# Altium PCB UZ_D_Optical_Daughter.PcbDoc (part 2 of 2)
Units mm, origin at the board's own origin, x right, y up, seen from the top; angles counter-clockwise.
Board outline 113.5 x 100 mm, 2 copper layers (Top Layer, Bottom Layer); 252 components, 135 nets, 734 pads, 115 vias.
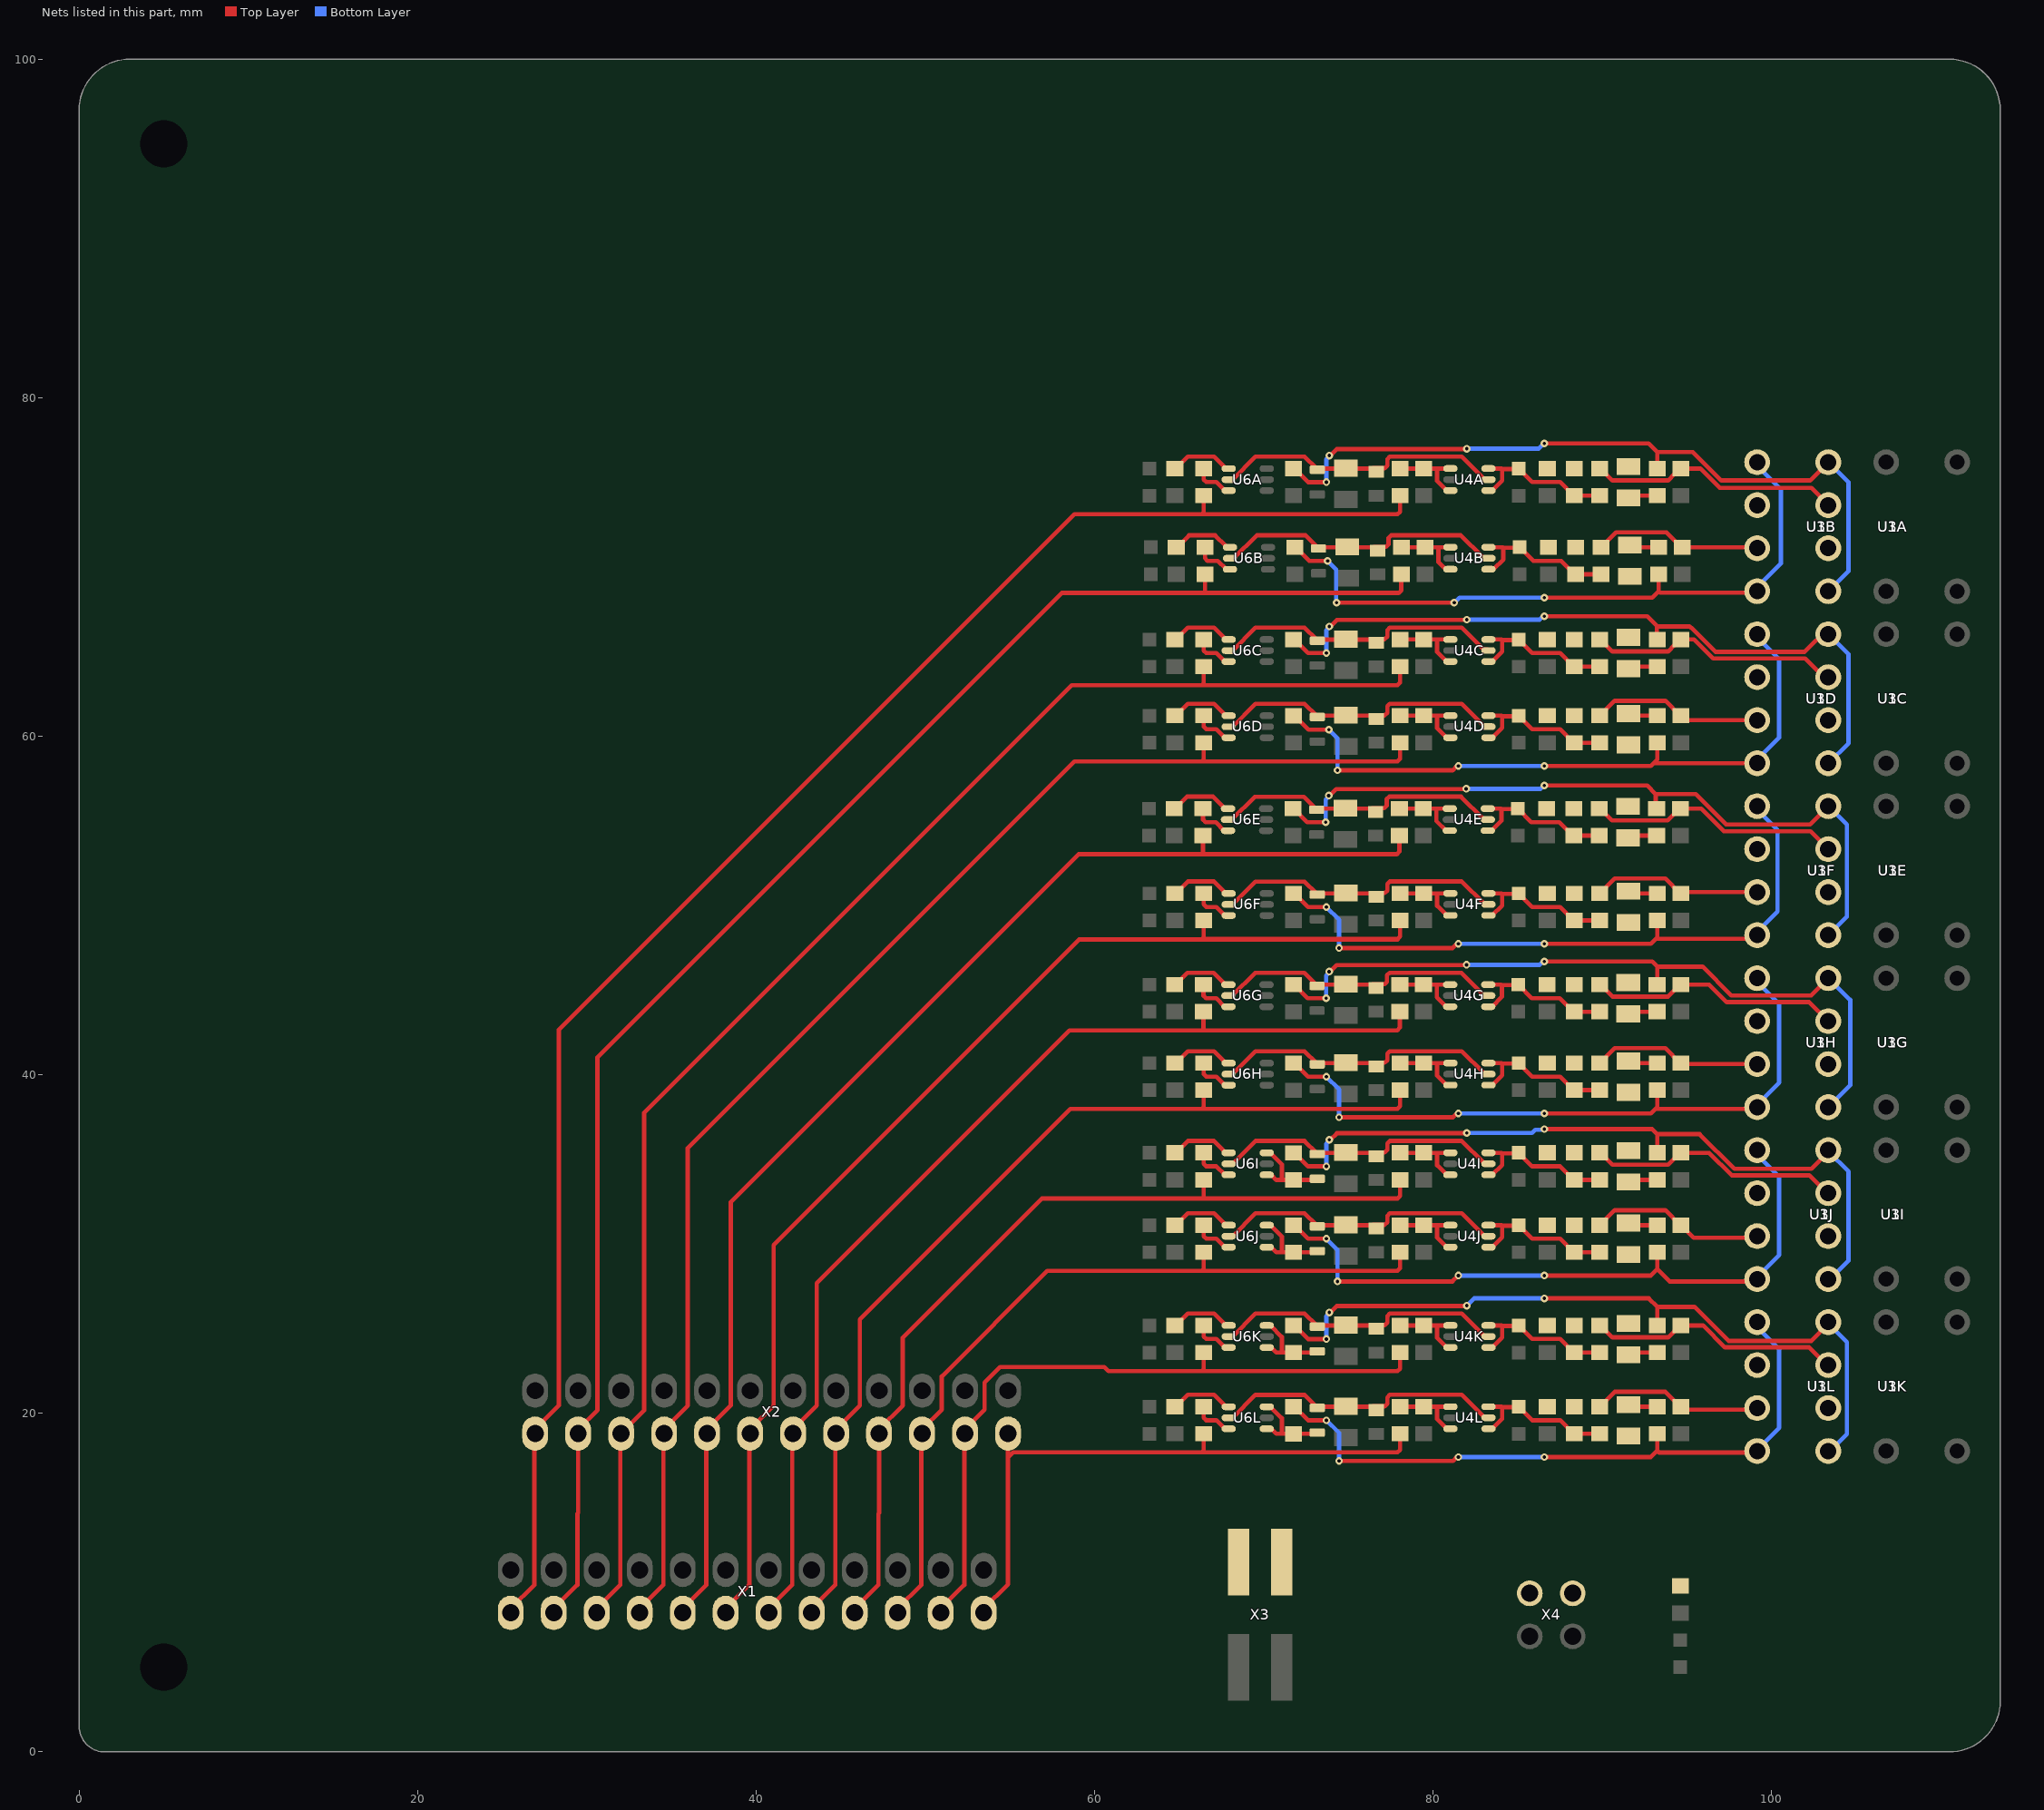
[diagram p2: the nets of this part, all layers, seen from the top]

## Via types
v1: diameter 0.45, hole 0.2, Top Layer to Bottom Layer, tented both sides, 48 vias
v2: diameter 0.6, hole 0.3, Top Layer to Bottom Layer, tented both sides, 37 vias
v3: diameter 0.8, hole 0.4, Top Layer to Bottom Layer, tented both sides, 30 vias

## Nets (pads, with @x,y where several pads share a name; then routed paths per layer and width w, separated by ;. In a path a pad name is that pad's centre, name@x,y a point inside that pad or via, vN(x,y) a via of type N, cw(c..) or ccw(c..) an arc to the next point about the centre after c; other vN are vias at no path point) (continued)
NetR1I_1: R1I.1 R13I.1 U6I.1 U6I.3 | length 5.2
  Top Layer w0.254: U6I.1@70.166,34.088 70.431,34.088 70.731,33.788 71.058,33.788 ; U6I.3@70.166,35.388 70.386,35.388 71.058,34.716 71.058,33.788 ; R13I.1@73.149,33.788 R1I.1@71.749,33.788 71.058,33.788
NetR1J_1: R1J.1 R13J.1 U6J.1 U6J.3 | length 5.2
  Top Layer w0.254: U6J.1@70.166,29.813 70.431,29.813 70.731,29.513 71.058,29.513 ; U6J.3@70.166,31.113 70.386,31.113 71.058,30.441 71.058,29.513 ; R13J.1@73.15,29.513 R1J.1@71.75,29.513 71.058,29.513
NetR1K_1: R1K.1 R13K.1 U6K.1 U6K.3 | length 5.2
  Top Layer w0.254: U6K.1@70.166,23.888 70.431,23.888 70.731,23.588 71.058,23.588 ; U6K.3@70.166,25.188 70.386,25.188 71.058,24.516 71.058,23.588 ; R13K.1@73.149,23.588 R1K.1@71.749,23.588 71.058,23.588
NetR1L_1: R1L.1 R13L.1 U6L.1 U6L.3 | length 5.2
  Top Layer w0.254: U6L.1@70.166,19.088 70.431,19.088 70.731,18.788 71.058,18.788 ; U6L.3@70.166,20.388 70.386,20.388 71.058,19.716 71.058,18.788 ; R13L.1@73.149,18.788 R1L.1@71.749,18.788 71.058,18.788
NetR2A_2: R2A.2 U6A.6 | length 2.4
  Top Layer w0.254: R2A.2@66.44,75.815 66.44,75.164 66.589,75.015 67.189,75.015 67.691,74.513 U6A.6@67.916,74.513
NetR2B_2: R2B.2 U6B.6 | length 2.4
  Top Layer w0.254: R2B.2@66.515,71.165 66.515,70.514 66.664,70.365 67.264,70.365 67.766,69.863 U6B.6@67.991,69.863
NetR2C_2: R2C.2 U6C.6 | length 2.4
  Top Layer w0.254: R2C.2@66.44,65.715 66.44,65.064 66.589,64.915 67.189,64.915 67.691,64.413 U6C.6@67.916,64.413
NetR2D_2: R2D.2 U6D.6 | length 2.4
  Top Layer w0.254: R2D.2@66.44,61.215 66.44,60.564 66.589,60.415 67.189,60.415 67.691,59.913 U6D.6@67.916,59.913
NetR2E_2: R2E.2 U6E.6 | length 2.4
  Top Layer w0.254: R2E.2@66.401,55.726 66.401,55.075 66.55,54.926 67.15,54.926 67.652,54.424 U6E.6@67.877,54.424
NetR2F_2: R2F.2 U6F.6 | length 2.4
  Top Layer w0.254: R2F.2@66.44,50.715 66.44,50.064 66.589,49.915 67.189,49.915 67.691,49.413 U6F.6@67.916,49.413
NetR2G_2: R2G.2 U6G.6 | length 2.4
  Top Layer w0.254: R2G.2@66.426,45.326 66.426,44.675 66.575,44.526 67.175,44.526 67.677,44.024 U6G.6@67.902,44.024
NetR2H_2: R2H.2 U6H.6 | length 2.4
  Top Layer w0.254: R2H.2@66.44,40.69 66.44,40.039 66.589,39.89 67.189,39.89 67.691,39.388 U6H.6@67.916,39.388
NetR2I_2: R2I.2 U6I.6 | length 2.4
  Top Layer w0.254: R2I.2@66.44,35.39 66.44,34.739 66.589,34.59 67.189,34.59 67.691,34.088 U6I.6@67.916,34.088
NetR2J_2: R2J.2 U6J.6 | length 2.4
  Top Layer w0.254: R2J.2@66.44,31.115 66.44,30.464 66.589,30.315 67.189,30.315 67.691,29.813 U6J.6@67.916,29.813
NetR2K_2: R2K.2 U6K.6 | length 2.4
  Top Layer w0.254: R2K.2@66.44,25.19 66.44,24.539 66.589,24.39 67.189,24.39 67.691,23.888 U6K.6@67.916,23.888
NetR2L_2: R2L.2 U6L.6 | length 2.4
  Top Layer w0.254: R2L.2@66.44,20.39 66.44,19.739 66.589,19.59 67.189,19.59 67.691,19.088 U6L.6@67.916,19.088
NetR3A_1: R3A.1 R14A.2 U1A.2 U3A.2 | length 15
  Top Layer w0.254: R14A.2@89.84,75.815 89.89,75.815 90.594,75.111 93.886,75.111 94.267,75.492 94.59,75.815 R3A.1@94.69,75.815 ; R3A.1@94.64,75.815 95.776,75.815 96.924,74.667 102.339,74.667 U1A.2@103.355,73.651
NetR3B_1: R3B.1 R14B.2 U1B.2 U3B.2 | length 10
  Top Layer w0.254: R14B.2@89.915,71.165 89.965,71.165 90.288,71.488 90.288,71.538 90.794,72.044 93.786,72.044 94.665,71.165 R3B.1@94.715,71.165 98.913,71.165 98.967,71.111 U3B.2@98.843,71.111
NetR3C_1: R3C.1 R14C.2 U1C.2 U3C.2 | length 15.1
  Top Layer w0.254: R14C.2@89.84,65.715 89.89,65.715 90.594,65.011 93.886,65.011 94.267,65.392 94.59,65.715 R3C.1@94.69,65.715 ; R3C.1@94.64,65.715 95.415,65.715 96.54,64.59 101.971,64.59 103.07,63.491 U3C.2@103.355,63.491
NetR3D_1: R3D.1 R14D.2 U1D.2 U3D.2 | length 10
  Top Layer w0.254: R14D.2@89.84,61.215 89.89,61.215 90.213,61.538 90.213,61.588 90.719,62.094 93.711,62.094 94.59,61.215 R3D.1@94.64,61.215 94.904,60.951 U3D.2@98.967,60.951
NetR3E_1: R3E.1 R14E.2 U1E.2 U3E.2 | length 15.1
  Top Layer w0.254: R14E.2@89.801,55.726 89.851,55.726 90.555,55.022 93.847,55.022 94.551,55.726 R3E.1@94.601,55.726 95.83,55.726 97.166,54.39 102.296,54.39 U3E.2@103.355,53.331
NetR3F_1: R3F.1 R14F.2 U1F.2 U3F.2 | length 9.9
  Top Layer w0.254: R14F.2@89.84,50.715 89.89,50.715 90.213,51.038 90.213,51.088 90.719,51.594 93.711,51.594 94.59,50.715 R3F.1@94.64,50.715 94.716,50.791 U3F.2@98.967,50.791
NetR3G_1: R3G.1 R14G.2 U1G.2 U3G.2 | length 15
  Top Layer w0.254: R14G.2@89.826,45.326 89.876,45.326 90.58,44.622 93.872,44.622 94.576,45.326 R3G.1@94.626,45.326 96.304,45.326 97.34,44.29 102.22,44.29 U1G.2@103.34,43.17 U1G.2@103.355,43.171
NetR3H_1: R3H.1 R14H.2 U1H.2 U3H.2 | length 9.9
  Top Layer w0.254: R14H.2@89.84,40.69 89.89,40.69 90.213,41.013 90.213,41.063 90.719,41.569 93.711,41.569 94.59,40.69 R3H.1@94.64,40.69 94.699,40.631 U3H.2@98.967,40.631
NetR3I_1: R3I.1 R14I.2 U1I.2 U3I.2 | length 15.1
  Top Layer w0.254: R14I.2@89.84,35.39 89.89,35.39 90.594,34.686 93.886,34.686 94.59,35.39 R3I.1@94.64,35.39 96.301,35.39 97.631,34.06 102.212,34.06 U3I.2@103.355,32.917
NetR3J_1: R3J.1 R14J.2 U1J.2 U3J.2 | length 10.3
  Top Layer w0.254: R14J.2@89.84,31.115 89.89,31.115 90.213,31.438 90.213,31.488 90.719,31.994 93.711,31.994 94.59,31.115 94.69,31.115 95.013,30.792 95.013,30.742 95.378,30.377 98.967,30.377 U3J.2@98.905,30.315
NetR3K_1: R3K.1 R14K.2 U1K.2 U3K.2 | length 15.1
  Top Layer w0.254: R14K.2@89.84,25.19 89.89,25.19 90.594,24.486 93.886,24.486 94.59,25.19 R3K.1@94.64,25.19 95.94,25.19 97.23,23.9 102.212,23.9 U3K.2@103.355,22.757
NetR3L_1: R3L.1 R14L.2 U1L.2 U3L.2 | length 10.1
  Top Layer w0.254: R14L.2@89.84,20.39 89.89,20.39 90.213,20.713 90.213,20.763 90.719,21.269 93.711,21.269 94.59,20.39 R3L.1@94.64,20.39 94.813,20.217 U1L.2@98.815,20.217 ; U1L.2@98.815,20.217 98.967,20.217 U1L.2@98.815,20.217
NetR7A_1: R7A.1 R18A.2 U4A.1 U4A.3 | length 4.7
  Top Layer w0.254: R7A.1@78.04,75.815 R18A.2@79.44,75.815 80.228,75.815 ; U4A.3@81.015,74.515 80.79,74.515 80.228,75.078 80.228,75.815 ; U4A.1@81.015,75.815 80.228,75.815
NetR7B_1: R7B.1 R18B.2 U4B.1 U4B.3 | length 4.8
  Top Layer w0.254: R7B.1@78.115,71.165 R18B.2@79.515,71.165 80.303,71.165 ; U4B.3@81.09,69.865 80.75,69.865 80.677,69.938 80.662,69.938 80.303,70.298 80.303,71.165 ; U4B.1@81.09,71.165 80.303,71.165
NetR7C_1: R7C.1 R18C.2 U4C.1 U4C.3 | length 4.7
  Top Layer w0.254: R7C.1@78.04,65.715 R18C.2@79.44,65.715 80.228,65.715 ; U4C.3@81.015,64.415 80.79,64.415 80.228,64.978 80.228,65.715 ; U4C.1@81.015,65.715 80.228,65.715
NetR7D_1: R7D.1 R18D.2 U4D.1 U4D.3 | length 4.7
  Top Layer w0.254: R7D.1@78.04,61.215 R18D.2@79.44,61.215 80.228,61.215 ; U4D.3@81.015,59.915 80.79,59.915 80.228,60.478 80.228,61.215 ; U4D.1@81.015,61.215 80.228,61.215
NetR7E_1: R7E.1 R18E.2 U4E.1 U4E.3 | length 4.7
  Top Layer w0.254: R7E.1@78.001,55.726 R18E.2@79.401,55.726 80.188,55.726 ; U4E.3@80.976,54.426 80.751,54.426 80.188,54.989 80.188,55.726 ; U4E.1@80.976,55.726 80.188,55.726
NetR7F_1: R7F.1 R18F.2 U4F.1 U4F.3 | length 4.7
  Top Layer w0.254: R7F.1@78.04,50.715 R18F.2@79.44,50.715 80.228,50.715 ; U4F.3@81.015,49.415 80.79,49.415 80.228,49.978 80.228,50.715 ; U4F.1@81.015,50.715 80.228,50.715
NetR7G_1: R7G.1 R18G.2 U4G.1 U4G.3 | length 4.7
  Top Layer w0.254: R7G.1@78.026,45.326 R18G.2@79.426,45.326 80.214,45.326 ; U4G.3@81.001,44.026 80.776,44.026 80.214,44.589 80.214,45.326 ; U4G.1@81.001,45.326 80.214,45.326
NetR7H_1: R7H.1 R18H.2 U4H.1 U4H.3 | length 4.7
  Top Layer w0.254: R7H.1@78.04,40.69 R18H.2@79.44,40.69 80.228,40.69 ; U4H.3@81.015,39.39 80.79,39.39 80.228,39.953 80.228,40.69 ; U4H.1@81.015,40.69 80.228,40.69
NetR7I_1: R7I.1 R18I.2 U4I.1 U4I.3 | length 4.7
  Top Layer w0.254: R7I.1@78.04,35.39 R18I.2@79.44,35.39 80.228,35.39 ; U4I.3@81.015,34.09 80.79,34.09 80.228,34.653 80.228,35.39 ; U4I.1@81.015,35.39 80.228,35.39
NetR7J_1: R7J.1 R18J.2 U4J.1 U4J.3 | length 4.7
  Top Layer w0.254: R7J.1@78.04,31.115 R18J.2@79.44,31.115 80.228,31.115 ; U4J.3@81.015,29.815 80.79,29.815 80.228,30.378 80.228,31.115 ; U4J.1@81.015,31.115 80.228,31.115
NetR7K_1: R7K.1 R18K.2 U4K.1 U4K.3 | length 4.7
  Top Layer w0.254: R7K.1@78.04,25.19 R18K.2@79.44,25.19 80.228,25.19 ; U4K.3@81.015,23.89 80.79,23.89 80.228,24.453 80.228,25.19 ; U4K.1@81.015,25.19 80.228,25.19
NetR7L_1: R7L.1 R18L.2 U4L.1 U4L.3 | length 4.7
  Top Layer w0.254: R7L.1@78.04,20.39 R18L.2@79.44,20.39 80.228,20.39 ; U4L.3@81.015,19.09 80.79,19.09 80.228,19.653 80.228,20.39 ; U4L.1@81.015,20.39 80.228,20.39
NetR8A_1: R8A.1 R12A.2 | length 1.8
  Top Layer w0.254: R12A.2@91.54,74.09 91.665,74.215 R8A.1@93.24,74.215
NetR8B_1: R8B.1 R12B.2 | length 1.8
  Top Layer w0.254: R12B.2@91.615,71.29 91.74,71.165 R8B.1@93.315,71.165
NetR8C_1: R8C.1 R12C.2 | length 1.8
  Top Layer w0.254: R12C.2@91.54,63.99 91.665,64.115 R8C.1@93.24,64.115
NetR8D_1: R8D.1 R12D.2 | length 1.8
  Top Layer w0.254: R12D.2@91.54,61.34 91.665,61.215 R8D.1@93.24,61.215
NetR8E_1: R8E.1 R12E.2 | length 1.8
  Top Layer w0.254: R12E.2@91.501,54.001 91.626,54.126 R8E.1@93.201,54.126
NetR8F_1: R8F.1 R12F.2 | length 1.8
  Top Layer w0.254: R12F.2@91.54,50.84 91.665,50.715 R8F.1@93.24,50.715
NetR8G_1: R8G.1 R12G.2 | length 1.8
  Top Layer w0.254: R12G.2@91.526,43.601 91.651,43.726 R8G.1@93.226,43.726
NetR8H_1: R8H.1 R12H.2 | length 1.8
  Top Layer w0.254: R12H.2@91.54,40.815 91.665,40.69 R8H.1@93.24,40.69
NetR8I_1: R8I.1 R12I.2 | length 1.8
  Top Layer w0.254: R12I.2@91.54,33.665 91.665,33.79 R8I.1@93.24,33.79
NetR8J_1: R8J.1 R12J.2 | length 1.8
  Top Layer w0.254: R12J.2@91.54,31.24 91.665,31.115 R8J.1@93.24,31.115
NetR8K_1: R8K.1 R12K.2 | length 1.8
  Top Layer w0.254: R12K.2@91.54,23.465 91.665,23.59 R8K.1@93.24,23.59
NetR8L_1: R8L.1 R12L.2 | length 1.8
  Top Layer w0.254: R12L.2@91.54,20.515 91.665,20.39 R8L.1@93.24,20.39
NetR9A_1: R9A.1 U6A.4 | length 3.8
  Top Layer w0.254: R9A.1@64.74,75.815 64.79,75.815 65.494,76.519 67.045,76.519 67.664,75.901 67.664,75.88 67.731,75.813 U6A.4@67.916,75.813
NetR9B_1: R9B.1 U6B.4 | length 3.8
  Top Layer w0.254: R9B.1@64.815,71.165 64.865,71.165 65.569,71.869 67.12,71.869 67.739,71.251 67.739,71.23 67.806,71.163 U6B.4@67.991,71.163
NetR9C_1: R9C.1 U6C.4 | length 3.8
  Top Layer w0.254: R9C.1@64.74,65.715 64.79,65.715 65.494,66.419 67.045,66.419 67.664,65.801 67.664,65.78 67.731,65.713 U6C.4@67.916,65.713
NetR9D_1: R9D.1 U6D.4 | length 3.8
  Top Layer w0.254: R9D.1@64.74,61.215 64.79,61.215 65.494,61.919 67.045,61.919 67.664,61.301 67.664,61.28 67.731,61.213 U6D.4@67.916,61.213
NetR9E_1: R9E.1 U6E.4 | length 3.8
  Top Layer w0.254: R9E.1@64.701,55.726 64.751,55.726 65.455,56.43 67.006,56.43 67.625,55.812 67.625,55.791 67.692,55.724 U6E.4@67.877,55.724
NetR9F_1: R9F.1 U6F.4 | length 3.8
  Top Layer w0.254: R9F.1@64.74,50.715 64.79,50.715 65.494,51.419 67.045,51.419 67.664,50.801 67.664,50.78 67.731,50.713 U6F.4@67.916,50.713
NetR9G_1: R9G.1 U6G.4 | length 3.8
  Top Layer w0.254: R9G.1@64.726,45.326 64.776,45.326 65.48,46.03 67.031,46.03 67.65,45.412 67.65,45.391 67.717,45.324 U6G.4@67.902,45.324
NetR9H_1: R9H.1 U6H.4 | length 3.8
  Top Layer w0.254: R9H.1@64.74,40.69 64.79,40.69 65.494,41.394 67.045,41.394 67.664,40.776 67.664,40.755 67.731,40.688 U6H.4@67.916,40.688
NetR9I_1: R9I.1 U6I.4 | length 3.8
  Top Layer w0.254: R9I.1@64.74,35.39 64.79,35.39 65.494,36.094 67.045,36.094 67.664,35.476 67.664,35.455 67.731,35.388 U6I.4@67.916,35.388
NetR9J_1: R9J.1 U6J.4 | length 3.8
  Top Layer w0.254: R9J.1@64.74,31.115 64.79,31.115 65.494,31.819 67.045,31.819 67.664,31.201 67.664,31.18 67.731,31.113 U6J.4@67.916,31.113
NetR9K_1: R9K.1 U6K.4 | length 3.8
  Top Layer w0.254: R9K.1@64.74,25.19 64.79,25.19 65.494,25.894 67.045,25.894 67.664,25.276 67.664,25.255 67.731,25.188 U6K.4@67.916,25.188
NetR9L_1: R9L.1 U6L.4 | length 3.8
  Top Layer w0.254: R9L.1@64.74,20.39 64.79,20.39 65.494,21.094 67.045,21.094 67.664,20.476 67.664,20.455 67.731,20.388 U6L.4@67.916,20.388
RxTxA: R1A.2 R8A.2 U1A.1 U1A.4 U3A.1 U3A.4 | length 44.5
  Top Layer w0.254: R1A.2@71.749,75.813 71.799,75.813 72.599,75.013 v1(73.687,75.013) ; v1(73.866,76.583) 73.919,76.583 74.306,76.97 81.97,76.97 v1(81.985,76.985) ; v1@86.64,77.305 92.725,77.305 93.24,76.79 ; R8A.2@93.24,75.815 93.24,76.79 ; U1A.1@103.355,76.191 102.275,75.111 97.019,75.111 95.34,76.79 93.24,76.79
  Bottom Layer w0.254: v1(73.687,75.013) 73.687,76.351 73.866,76.53 v1(73.866,76.583) ; v1(81.985,76.985) 86.227,76.985 v1@86.546,77.305 ; U1A.4@103.355,68.571 104.54,69.756 104.54,75.006 U1A.1@103.355,76.191
  other v1: 86.565,77.305
RxTxB: R1B.2 R8B.2 U1B.1 U1B.4 U3B.1 U3B.4 | length 39.8
  Top Layer w0.254: R1B.2@71.824,71.163 71.874,71.163 72.675,70.363 v1(73.762,70.363) ; v1(74.29,67.89) v1(81.24,67.89) ; v1@86.64,68.19 92.94,68.19 93.315,68.565 ; R8B.2@93.315,69.565 93.315,68.565 ; U3B.1@98.967,68.571 98.882,68.486 96.893,68.486 93.394,68.486 93.315,68.565
  Bottom Layer w0.254: v1(73.762,70.363) 74.265,69.86 v1@74.265,67.915 ; v1(81.24,67.89) 81.262,67.89 81.562,68.19 v1(86.565,68.19) ; U3B.1@98.92,68.59 100.54,70.21 100.54,74.59 U3B.4@98.92,76.21
RxTxC: R1C.2 R8C.2 U1C.1 U1C.4 U3C.1 U3C.4 | length 44.4
  Top Layer w0.254: R1C.2@71.749,65.713 71.799,65.713 72.599,64.913 v1(73.687,64.913) ; v1(73.866,66.483) 73.919,66.483 74.306,66.87 81.97,66.87 v1(81.985,66.885) ; v1@86.54,67.09 92.64,67.09 93.24,66.49 ; R8C.2@93.24,65.715 93.208,65.747 93.208,66.49 95.14,66.49 95.211,66.419 95.25,66.419 96.679,64.99 101.94,64.99 102.614,65.664 102.644,65.664 103.011,66.031 U3C.1@103.355,66.031
  Bottom Layer w0.254: v1(73.687,64.913) 73.687,66.251 73.866,66.43 v1(73.866,66.483) ; v1(81.985,66.885) 86.282,66.885 86.487,67.09 v1@86.54,67.09 ; U3C.4@103.355,58.411 104.54,59.596 104.54,64.846 U3C.1@103.355,66.031
  other v1: 86.565,67.09
RxTxD: R1D.2 R8D.2 U1D.1 U1D.4 U3D.1 U3D.4 | length 39.9
  Top Layer w0.254: R1D.2@71.8,61.213 72.623,60.39 v1(73.84,60.39) ; v1(74.34,57.99) 81.143,57.99 81.393,58.24 v1(81.487,58.24) ; v1(86.565,58.24) 92.865,58.24 93.036,58.411 ; R8D.2@93.24,59.615 93.24,58.615 93.036,58.411 ; U3D.1@98.967,58.411 93.036,58.411
  Bottom Layer w0.254: v1(73.84,60.39) 74.34,59.89 v1(74.34,57.99) ; v1(81.487,58.24) v1(86.565,58.24) ; U3D.1@98.94,58.424 100.44,59.924 100.44,64.544 U3D.4@98.94,66.044
RxTxE: R1E.2 R8E.2 U1E.1 U1E.4 U3E.1 U3E.4 | length 44.5
  Top Layer w0.254: R1E.2@71.71,55.724 71.76,55.724 72.56,54.924 v1(73.648,54.924) ; v1(73.827,56.494) 73.88,56.494 74.267,56.881 81.931,56.881 v1(81.946,56.896) ; v1@86.546,57.09 86.64,57.09 92.64,57.09 93.14,56.59 ; R8E.2@93.201,55.726 93.14,55.787 93.14,56.59 ; U3E.1@103.355,55.871 102.274,54.79 97.305,54.79 95.505,56.59 93.14,56.59
  Bottom Layer w0.254: v1(73.648,54.924) 73.648,56.262 73.827,56.441 v1(73.827,56.494) ; v1(81.946,56.896) 86.353,56.896 v1@86.546,57.09 ; U3E.4@103.355,48.251 104.44,49.336 104.44,54.786 U3E.1@103.355,55.871
  other v1: 86.565,57.09
RxTxF: R1F.2 R8F.2 U1F.1 U1F.4 U3F.1 U3F.4 | length 39.8
  Top Layer w0.254: R1F.2@71.749,50.713 71.799,50.713 72.599,49.913 v1(73.687,49.913) ; v1(74.44,47.49) 81.143,47.49 81.393,47.74 v1(81.487,47.74) ; v1(86.565,47.74) 92.865,47.74 93.24,48.115 ; R8F.2@93.24,49.115 93.24,48.115 ; U3F.1@98.967,48.251 98.752,48.036 93.24,48.036 93.24,48.115
  Bottom Layer w0.254: v1(73.687,49.913) 74.44,49.16 v1(74.44,47.49) ; v1(81.487,47.74) v1(86.565,47.74) ; U3F.4@98.94,55.855 98.94,55.87 100.34,54.47 100.34,49.65 98.941,48.251 U3F.1@98.967,48.251
RxTxG: R1G.2 R8G.2 U1G.1 U1G.4 U3G.1 U3G.4 | length 44.7
  Top Layer w0.254: R1G.2@71.736,45.324 71.786,45.324 72.586,44.524 v1(73.673,44.524) ; v1(73.852,46.094) 73.905,46.094 74.292,46.481 v1@81.984,46.481 ; v1@86.54,46.69 92.94,46.69 93.24,46.39 ; R8G.2@93.226,45.326 93.24,45.34 93.24,46.39 ; U1G.1@103.355,45.711 102.334,44.69 97.608,44.69 95.908,46.39 93.24,46.39
  Bottom Layer w0.254: v1(73.673,44.524) 73.673,45.862 73.852,46.041 v1(73.852,46.094) ; v1@81.984,46.481 81.999,46.496 86.293,46.496 86.487,46.69 v1@86.54,46.69 ; U1G.4@103.355,38.091 104.64,39.376 104.64,44.426 U1G.1@103.355,45.711
  other v1: 81.971,46.496 86.565,46.69
RxTxH: R1H.2 R8H.2 U1H.1 U1H.4 U3H.1 U3H.4 | length 39.8
  Top Layer w0.254: R1H.2@71.749,40.688 71.799,40.688 72.599,39.888 v1(73.687,39.888) ; v1(74.44,37.49) 81.168,37.49 81.393,37.715 v1(81.487,37.715) ; v1(86.565,37.715) 92.865,37.715 93.14,37.99 ; R8H.2@93.24,39.09 93.24,38.09 93.14,37.99 ; U3H.1@98.967,38.091 98.866,37.99 93.14,37.99
  Bottom Layer w0.254: v1(73.687,39.888) 74.44,39.135 v1(74.44,37.49) ; v1(81.487,37.715) v1(86.565,37.715) ; U3H.1@98.854,38.05 98.94,38.05 100.44,39.55 100.44,44.17 U3H.4@98.94,45.67
RxTxI: R1I.2 R8I.2 U1I.1 U1I.4 U3I.1 U3I.4 | length 44.7
  Top Layer w0.254: R1I.2@71.749,35.388 71.799,35.388 72.599,34.588 v1(73.687,34.588) ; v1(73.866,36.158) 73.919,36.158 74.306,36.545 v1@81.97,36.545 ; v1(86.565,36.79) 92.94,36.79 93.24,36.49 ; R8I.2@93.24,35.39 93.24,36.49 ; U3I.1@103.355,35.457 102.339,34.441 97.789,34.441 95.74,36.49 93.24,36.49
  Bottom Layer w0.254: v1(73.687,34.588) 73.687,35.926 73.866,36.105 v1(73.866,36.158) ; v1(81.985,36.56) 85.832,36.56 86.024,36.753 86.527,36.753 v1(86.565,36.79) ; U3I.4@103.355,27.837 104.54,29.022 104.54,34.272 U3I.1@103.355,35.457
RxTxJ: R1J.2 R8J.2 U1J.1 U1J.4 U3J.1 U3J.4 | length 40.1
  Top Layer w0.254: R1J.2@71.75,31.113 71.8,31.113 72.6,30.313 v1(73.687,30.313) ; v1(74.34,27.79) 81.137,27.79 v1(81.487,28.14) ; v1(86.565,28.14) 92.865,28.14 93.24,28.515 ; R8J.2@93.24,29.515 93.24,28.515 ; U3J.1@98.967,27.837 98.92,27.79 93.965,27.79 93.24,28.515
  Bottom Layer w0.254: v1(73.687,30.313) 74.34,29.66 v1(74.34,27.79) ; v1(81.487,28.14) v1@86.471,28.14 ; U3J.1@98.94,27.85 100.44,29.35 100.44,33.97 U3J.4@98.94,35.47 ; U3J.1@98.947,27.857 U3J.1@98.967,27.837
RxTxK: R1K.2 R8K.2 U1K.1 U1K.4 U3K.1 U3K.4 | length 44.9
  Top Layer w0.254: R1K.2@71.749,25.188 71.799,25.188 72.599,24.388 v1(73.687,24.388) ; v1(73.866,25.958) 73.919,25.958 74.306,26.345 v1@81.97,26.345 ; v1@86.64,26.79 92.74,26.79 93.24,26.29 ; R8K.2@93.24,25.19 93.24,26.29 ; U3K.1@103.355,25.297 102.339,24.281 97.449,24.281 95.44,26.29 93.24,26.29
  Bottom Layer w0.254: v1(73.687,24.388) 73.687,25.726 73.866,25.905 v1(73.866,25.958) ; v1@81.97,26.345 82.415,26.79 v1@86.64,26.79 ; v1(81.985,26.36) v1@82.079,26.36 ; U3K.4@103.355,17.677 104.44,18.762 104.44,24.212 U3K.1@103.355,25.297
  other v1: 86.565,26.79
RxTxL: R1L.2 R8L.2 U1L.1 U1L.4 U3L.1 U3L.4 | length 39.5
  Top Layer w0.254: R1L.2@71.749,20.388 71.799,20.388 72.599,19.588 v1(73.687,19.588) ; v1(74.44,17.19) 81.168,17.19 81.393,17.415 v1(81.487,17.415) ; v1(86.565,17.415) 92.865,17.415 93.24,17.79 ; R8L.2@93.24,18.79 93.24,17.79 ; U1L.1@98.967,17.677 93.353,17.677 93.24,17.79
  Bottom Layer w0.254: v1(73.687,19.588) 74.44,18.835 v1(74.44,17.19) ; v1(81.487,17.415) v1@86.471,17.415 ; U1L.4@98.94,25.27 100.44,23.77 100.44,19.15 U1L.1@98.967,17.677
Signal18: R2A.1 R7A.2 X1.1 X2.1 | length 100.1
  Top Layer w0.254: X1.1@25.5,8.21 25.5,8.464 26.897,9.861 26.897,18.757 X2.1@26.94,18.8 26.94,19.054 28.337,20.451 28.337,42.657 58.795,73.115 66.34,73.115 ; R2A.1@66.44,74.215 66.44,73.215 66.34,73.115 ; R7A.2@78.04,74.215 78.04,73.264 77.891,73.115 66.34,73.115
Signal19: R2B.1 R7B.2 X1.3 X2.3 | length 94.9
  Top Layer w0.254: X1.3@28.04,8.21 28.04,8.464 29.437,9.861 29.437,14.061 29.48,14.104 29.48,19.054 30.623,20.197 30.623,41.043 58.045,68.465 77.966,68.465 78.115,68.614 R7B.2@78.115,69.565 ; 66.415,68.465 66.515,68.565 R2B.1@66.515,69.565
Signal20: R2C.1 R7C.2 X1.5 X2.5 | length 88
  Top Layer w0.254: X1.5@30.58,8.21 30.58,8.464 31.977,9.861 31.977,18.757 33.38,20.16 33.38,37.755 58.64,63.015 66.34,63.015 ; R2C.1@66.44,64.115 66.44,63.115 66.34,63.015 ; R7C.2@78.04,64.115 78.04,63.164 77.891,63.015 66.44,63.015 66.34,63.015
Signal21: R2D.1 R7D.2 X1.7 X2.7 | length 82.3
  Top Layer w0.254: X1.7@33.12,8.21 33.12,8.464 34.517,9.861 34.517,18.757 X2.7@34.56,18.8 34.56,19.054 35.957,20.451 35.957,35.677 58.795,58.515 66.34,58.515 ; R2D.1@66.44,59.615 66.44,58.615 66.34,58.515 ; R7D.2@78.04,59.615 78.04,58.664 77.891,58.515 66.34,58.515
Signal22: R2E.1 R7E.2 X1.9 X2.9 | length 75.6
  Top Layer w0.254: X1.9@35.66,8.21 35.66,8.464 37.057,9.861 37.057,18.757 X2.9@37.1,18.8 37.1,19.054 38.497,20.451 38.497,32.472 59.051,53.026 66.301,53.026 ; R2E.1@66.401,54.126 66.401,53.126 66.301,53.026 ; R7E.2@78.001,54.126 78.001,53.175 77.852,53.026 66.301,53.026
Signal23: R2F.1 R7F.2 X1.11 X2.11 | length 81.1
  Top Layer w0.254: X1.11@38.2,8.21 38.2,8.464 39.597,9.861 39.597,18.757 X2.11@39.64,18.8 39.64,19.054 41.037,20.451 41.037,29.947 59.08,47.99 77.891,47.99 ; R2F.1@66.44,49.115 66.44,48.115 66.34,48.015 77.891,48.015 78.04,48.164 R7F.2@78.04,49.115
Signal24: R2G.1 R7G.2 X1.13 X2.13 | length 63.4
  Top Layer w0.254: X1.13@40.74,8.21 40.74,8.464 42.137,9.861 42.137,18.757 X2.13@42.18,18.8 42.18,19.054 43.577,20.451 43.577,27.697 58.506,42.626 77.877,42.626 78.026,42.775 R7G.2@78.026,43.726 ; 66.326,42.626 66.426,42.726 R2G.1@66.426,43.726
Signal25: R2H.1 R7H.2 X1.15 X2.15 | length 57.8
  Top Layer w0.254: X1.15@43.28,8.21 43.28,8.464 44.677,9.861 44.677,18.757 X2.15@44.72,18.8 44.72,19.054 46.117,20.451 46.117,25.537 58.57,37.99 77.891,37.99 78.04,38.139 R7H.2@78.04,39.09 ; 66.44,37.99 66.34,37.99 66.44,38.09 R2H.1@66.44,39.09
Signal26: R2I.1 R7I.2 X1.17 X2.17 | length 52.4
  Top Layer w0.254: X1.17@45.82,8.21 45.82,8.464 47.217,9.861 47.217,14.061 47.26,14.104 47.26,19.054 48.657,20.451 48.657,24.477 56.87,32.69 66.34,32.69 ; R2I.1@66.44,33.79 66.44,32.79 66.34,32.69 ; R7I.2@78.04,33.79 78.04,32.839 77.891,32.69 66.34,32.69
Signal27: R2J.1 R7J.2 X1.19 X2.19 | length 46.9
  Top Layer w0.254: X1.19@48.36,8.21 48.36,8.464 49.757,9.861 49.757,18.757 X2.19@49.8,18.8 49.8,19.054 50.962,20.216 50.962,22.182 57.195,28.415 77.891,28.415 78.04,28.564 R7J.2@78.04,29.515 ; 66.34,28.415 66.44,28.515 R2J.1@66.44,29.515
Signal28: R2K.1 R7K.2 X1.21 X2.21 | length 41.9
  Top Layer w0.254: X1.21@50.9,8.21 50.9,8.464 52.297,9.861 52.297,18.757 X2.21@52.34,18.8 52.34,19.054 53.495,20.209 53.495,21.825 54.407,22.737 60.563,22.737 60.81,22.49 66.34,22.49 ; R2K.1@66.44,23.59 66.44,22.59 66.34,22.49 ; R7K.2@78.04,23.59 78.04,22.639 77.891,22.49 66.34,22.49
Signal29: R2L.1 R7L.2 X1.23 X2.23 | length 36.6
  Top Layer w0.254: X1.23@53.44,8.21 53.44,8.464 54.88,9.904 54.88,17.4 ; X2.23@54.88,18.8 54.88,17.6 54.88,17.4 ; R2L.1@66.44,18.79 66.44,17.79 66.34,17.69 ; R7L.2@78.04,18.79 78.04,17.839 77.891,17.69 66.34,17.69 ; 54.88,17.4 55.17,17.69 66.34,17.69
TxA_N: D3A.1 R14A.1 R17A.1 U4A.4 U4A.6 | length 9
  Top Layer w0.254: U4A.4@83.265,74.515 83.49,74.515 84.07,75.095 84.07,75.785 ; U4A.6@83.265,75.815 84.04,75.815 84.07,75.785 ; R14A.1@89.84,74.215 R17A.1@88.34,74.215 88.29,74.215 87.49,75.015 85.84,75.015 D3A.1@85.04,75.815 85.01,75.785 84.07,75.785
TxB_N: D3B.1 R14B.1 R17B.1 U4B.4 U4B.6 | length 9
  Top Layer w0.254: U4B.4@83.34,69.865 83.565,69.865 84.145,70.445 84.145,71.135 ; U4B.6@83.34,71.165 84.115,71.165 84.145,71.135 ; R14B.1@89.915,69.565 R17B.1@88.415,69.565 88.365,69.565 87.565,70.365 85.915,70.365 D3B.1@85.115,71.165 85.085,71.135 84.145,71.135
TxC_N: D3C.1 R14C.1 R17C.1 U4C.4 U4C.6 | length 9
  Top Layer w0.254: U4C.4@83.265,64.415 83.49,64.415 84.07,64.995 84.07,65.685 ; U4C.6@83.265,65.715 84.04,65.715 84.07,65.685 ; R14C.1@89.84,64.115 R17C.1@88.34,64.115 88.29,64.115 87.49,64.915 85.84,64.915 D3C.1@85.04,65.715 85.01,65.685 84.07,65.685
TxD_N: D3D.1 R14D.1 R17D.1 U4D.4 U4D.6 | length 9
  Top Layer w0.254: U4D.4@83.265,59.915 83.49,59.915 84.071,60.496 84.071,61.185 ; U4D.6@83.265,61.215 84.04,61.215 84.071,61.185 ; R14D.1@89.84,59.615 R17D.1@88.34,59.615 88.29,59.615 87.49,60.415 85.84,60.415 D3D.1@85.04,61.215 85.01,61.185 84.071,61.185
TxE_N: D3E.1 R14E.1 R17E.1 U4E.4 U4E.6 | length 9
  Top Layer w0.254: U4E.4@83.226,54.426 83.451,54.426 84.031,55.006 84.031,55.696 ; U4E.6@83.226,55.726 84.001,55.726 84.031,55.696 ; R14E.1@89.801,54.126 R17E.1@88.301,54.126 88.251,54.126 87.451,54.926 85.801,54.926 D3E.1@85.001,55.726 84.971,55.696 84.031,55.696
TxF_N: D3F.1 R14F.1 R17F.1 U4F.4 U4F.6 | length 9
  Top Layer w0.254: U4F.4@83.265,49.415 83.49,49.415 84.07,49.995 84.07,50.685 ; U4F.6@83.265,50.715 84.04,50.715 84.07,50.685 ; R14F.1@89.84,49.115 R17F.1@88.34,49.115 88.29,49.115 87.49,49.915 85.84,49.915 D3F.1@85.04,50.715 85.01,50.685 84.07,50.685
TxG_N: D3G.1 R14G.1 R17G.1 U4G.4 U4G.6 | length 9
  Top Layer w0.254: U4G.4@83.251,44.026 83.476,44.026 84.056,44.606 84.056,45.296 ; U4G.6@83.251,45.326 84.026,45.326 84.056,45.296 ; R14G.1@89.826,43.726 R17G.1@88.326,43.726 88.276,43.726 87.476,44.526 85.826,44.526 D3G.1@85.026,45.326 84.996,45.296 84.056,45.296
TxH_N: D3H.1 R14H.1 R17H.1 U4H.4 U4H.6 | length 9
  Top Layer w0.254: U4H.4@83.265,39.39 83.49,39.39 84.07,39.97 84.07,40.66 ; U4H.6@83.265,40.69 84.04,40.69 84.07,40.66 ; R14H.1@89.84,39.09 R17H.1@88.34,39.09 88.29,39.09 87.49,39.89 85.84,39.89 D3H.1@85.04,40.69 85.01,40.66 84.07,40.66
TxI_N: D3I.1 R14I.1 R17I.1 U4I.4 U4I.6 | length 9
  Top Layer w0.254: U4I.4@83.265,34.09 83.49,34.09 84.07,34.67 84.07,35.36 ; U4I.6@83.265,35.39 84.04,35.39 84.07,35.36 ; R14I.1@89.84,33.79 R17I.1@88.34,33.79 88.29,33.79 87.49,34.59 85.84,34.59 D3I.1@85.04,35.39 85.01,35.36 84.07,35.36
TxJ_N: D3J.1 R14J.1 R17J.1 U4J.4 U4J.6 | length 9
  Top Layer w0.254: U4J.4@83.265,29.815 83.49,29.815 84.07,30.395 84.07,31.085 ; U4J.6@83.265,31.115 84.04,31.115 84.07,31.085 ; R14J.1@89.84,29.515 R17J.1@88.34,29.515 88.29,29.515 87.49,30.315 85.84,30.315 D3J.1@85.04,31.115 85.01,31.085 84.07,31.085
TxK_N: D3K.1 R14K.1 R17K.1 U4K.4 U4K.6 | length 9
  Top Layer w0.254: U4K.4@83.265,23.89 83.49,23.89 84.07,24.47 84.07,25.16 ; U4K.6@83.265,25.19 84.04,25.19 84.07,25.16 ; R14K.1@89.84,23.59 R17K.1@88.34,23.59 88.29,23.59 87.49,24.39 85.84,24.39 D3K.1@85.04,25.19 85.01,25.16 84.07,25.16
TxL_N: D3L.1 R14L.1 R17L.1 U4L.4 U4L.6 | length 9
  Top Layer w0.254: U4L.4@83.265,19.09 83.49,19.09 84.07,19.67 84.07,20.36 ; U4L.6@83.265,20.39 84.04,20.39 84.07,20.36 ; R14L.1@89.84,18.79 R17L.1@88.34,18.79 88.29,18.79 87.49,19.59 85.84,19.59 D3L.1@85.04,20.39 85.01,20.36 84.07,20.36
VCC: C8A.1 C8B.1 C8C.1 C8D.1 C8E.1 C8F.1 C8G.1 C8H.1 C8I.1 C8J.1 C8K.1 C8L.1 C9A.1 C9B.1 C9C.1 C9D.1 C9E.1 C9F.1 C9G.1 C9H.1 C9I.1 C9J.1 C9K.1 C9L.1 R11A.1 R11B.1 R11C.1 R11D.1 R11E.1 R11F.1 R11G.1 R11H.1 R11I.1 R11J.1 R11K.1 R11L.1 R12A.1 R12B.1 R12C.1 R12D.1 R12E.1 R12F.1 R12G.1 R12H.1 R12I.1 R12J.1 R12K.1 R12L.1 R13A.2 R13B.2 R13C.2 R13D.2 R13E.2 R13F.2 R13G.2 R13H.2 R13I.2 R13J.2 R13K.2 R13L.2 R17A.2 R17B.2 R17C.2 R17D.2 R17E.2 R17F.2 R17G.2 R17H.2 R17I.2 R17J.2 R17K.2 R17L.2 R21.2 U1A.3 U1B.3 U1C.3 U1D.3 U1E.3 U1F.3 U1G.3 U1H.3 U1I.3 U1J.3 U1K.3 U1L.3 U3A.3 U3B.3 U3C.3 U3D.3 U3E.3 U3F.3 U3G.3 U3H.3 U3I.3 U3J.3 U3K.3 U3L.3 U4A.5 U4B.5 U4C.5 U4D.5 U4E.5 U4F.5 U4G.5 U4H.5 U4I.5 U4J.5 U4K.5 U4L.5 U6A.5 U6B.5 U6C.5 U6D.5 U6E.5 U6F.5 U6G.5 U6H.5 U6I.5 U6J.5 U6K.5 U6L.5 X3.3 X3.4 X4.3 X4.4 | length 211.3
  Top Layer w0.254: U6E.5@67.877,55.074 68.102,55.074 69.456,56.428 72.356,56.428 73.06,55.724 C8E.1@74.785,55.724 ; U6G.5@67.902,44.674 68.127,44.674 69.481,46.028 72.381,46.028 73.086,45.324 C8G.1@74.811,45.324 ; U6L.5@67.916,19.738 68.141,19.738 69.495,21.092 72.395,21.092 73.099,20.388 C8L.1@74.825,20.388 ; U6K.5@67.916,24.538 68.141,24.538 69.495,25.892 72.395,25.892 73.099,25.188 C8K.1@74.825,25.188 ; U6J.5@67.916,30.463 68.141,30.463 69.495,31.817 72.396,31.817 73.1,31.113 C8J.1@74.825,31.113 ; U6I.5@67.916,34.738 68.141,34.738 69.495,36.092 72.395,36.092 73.099,35.388 C8I.1@74.825,35.388 ; U6H.5@67.916,40.038 68.141,40.038 69.495,41.392 72.395,41.392 73.099,40.688 C8H.1@74.825,40.688 ; U6F.5@67.916,50.063 68.141,50.063 69.495,51.417 72.395,51.417 73.099,50.713 C8F.1@74.825,50.713 ; U6D.5@67.916,60.563 68.141,60.563 69.495,61.917 72.396,61.917 73.1,61.213 C8D.1@74.825,61.213 ; U6C.5@67.916,65.063 68.141,65.063 69.495,66.417 72.395,66.417 73.099,65.713 C8C.1@74.825,65.713 ; U6A.5@67.916,75.163 68.141,75.163 69.495,76.517 72.395,76.517 73.099,75.813 C8A.1@74.825,75.813 ; U6B.5@67.991,70.513 68.216,70.513 69.57,71.867 72.47,71.867 73.174,71.163 C8B.1@74.9,71.163 ; C8E.1@74.81,55.749 C8E.1@74.785,55.724 ; C8G.1@74.836,45.349 C8G.1@74.811,45.324 ; C8L.1@74.849,20.413 C8L.1@74.825,20.388 ; C8K.1@74.849,25.213 C8K.1@74.825,25.188 ; C8J.1@74.85,31.138 C8J.1@74.825,31.113 ; C8I.1@74.849,35.413 C8I.1@74.825,35.388 ; C8H.1@74.849,40.713 C8H.1@74.825,40.688 ; C8F.1@74.849,50.738 C8F.1@74.825,50.713 ; C8D.1@74.85,61.238 C8D.1@74.825,61.213 ; C8C.1@74.849,65.738 C8C.1@74.825,65.713 ; C8A.1@74.849,75.838 C8A.1@74.825,75.813 ; C8B.1@74.925,71.188 C8B.1@74.9,71.163 ; C9E.1@76.39,55.737 C9E.1@76.601,55.526 ; C9G.1@76.416,45.337 C9G.1@76.626,45.126 ; C9L.1@76.429,20.401 C9L.1@76.64,20.19 ; C9K.1@76.429,25.201 C9K.1@76.64,24.99 ; C9J.1@76.43,31.126 C9J.1@76.64,30.915 ; C9I.1@76.429,35.401 C9I.1@76.64,35.19 ; C9H.1@76.429,40.701 C9H.1@76.64,40.49 ; C9F.1@76.429,50.726 C9F.1@76.64,50.515 ; C9D.1@76.43,61.226 C9D.1@76.64,61.015 ; C9C.1@76.429,65.726 C9C.1@76.64,65.515 ; C9A.1@76.429,75.826 C9A.1@76.64,75.615 ; C9B.1@76.505,71.176 C9B.1@76.715,70.965 ; U4E.5@83.226,55.076 83.178,55.124 82.953,55.124 81.647,56.43 77.396,56.43 77.247,56.281 77.247,55.898 77.098,55.749 76.403,55.749 76.378,55.724 C8E.1@74.785,55.724 ; U4G.5@83.251,44.676 83.203,44.724 82.978,44.724 81.672,46.03 77.421,46.03 77.272,45.881 77.272,45.498 77.123,45.349 76.428,45.349 76.403,45.324 C8G.1@74.811,45.324 ; U4L.5@83.265,19.74 83.217,19.788 82.992,19.788 81.686,21.094 77.435,21.094 77.286,20.945 77.286,20.562 77.137,20.413 76.442,20.413 76.417,20.388 C8L.1@74.825,20.388 ; U4K.5@83.265,24.54 83.217,24.588 82.992,24.588 81.686,25.894 77.435,25.894 77.286,25.745 77.286,25.362 77.137,25.213 76.442,25.213 76.417,25.188 C8K.1@74.825,25.188 ; U4J.5@83.265,30.465 83.217,30.513 82.992,30.513 81.686,31.819 77.435,31.819 77.286,31.67 77.286,31.287 77.137,31.138 76.442,31.138 76.417,31.113 C8J.1@74.825,31.113 ; U4I.5@83.265,34.74 83.217,34.788 82.992,34.788 81.686,36.094 77.435,36.094 77.286,35.945 77.286,35.562 77.137,35.413 76.442,35.413 76.417,35.388 C8I.1@74.825,35.388 ; U4H.5@83.265,40.04 83.217,40.088 82.992,40.088 81.686,41.394 77.435,41.394 77.286,41.245 77.286,40.862 77.137,40.713 76.442,40.713 76.417,40.688 C8H.1@74.825,40.688 ; U4F.5@83.265,50.065 83.217,50.113 82.992,50.113 81.686,51.419 77.435,51.419 77.286,51.27 77.286,50.887 77.137,50.738 76.442,50.738 76.417,50.713 C8F.1@74.825,50.713 ; U4D.5@83.265,60.565 83.217,60.613 82.992,60.613 81.686,61.919 77.435,61.919 77.286,61.77 77.286,61.387 77.137,61.238 76.442,61.238 76.417,61.213 C8D.1@74.825,61.213 ; U4C.5@83.265,65.065 83.217,65.113 82.992,65.113 81.686,66.419 77.435,66.419 77.286,66.27 77.286,65.887 77.137,65.738 76.442,65.738 76.417,65.713 C8C.1@74.825,65.713 ; U4A.5@83.265,75.165 83.217,75.213 82.992,75.213 81.686,76.519 77.435,76.519 77.286,76.37 77.286,75.987 77.137,75.838 76.442,75.838 76.417,75.813 C8A.1@74.825,75.813 ; U4B.5@83.34,70.515 83,70.515 82.927,70.588 82.912,70.588 81.631,71.869 77.51,71.869 77.361,71.72 77.361,71.337 77.212,71.188 76.517,71.188 76.492,71.163 C8B.1@74.9,71.163
pads on no net: MH1.1 MH2.1 U1A.5 U1A.8 U1B.5 U1B.8 U1C.5 U1C.8 U1D.5 U1D.8 U1E.5 U1E.8 U1F.5 U1F.8 U1G.5 U1G.8 U1H.5 U1H.8 U1I.5 U1I.8 U1J.5 U1J.8 U1K.5 U1K.8 U1L.5 U1L.8 U3A.5 U3A.8 U3B.5 U3B.8 U3C.5 U3C.8 U3D.5 U3D.8 U3E.5 U3E.8 U3F.5 U3F.8 U3G.5 U3G.8 U3H.5 U3H.8 U3I.5 U3I.8 U3J.5 U3J.8 U3K.5 U3K.8 U3L.5 U3L.8

## Polygon pours and split planes (outlines as drawn)
VCC on Top Layer "TOP_VCC" (solid, pour order 3): 63.5,14 82,14 82,100 113.5,100 113.5,0 63.5,0
GND on Top Layer "GND_L01_P004" (solid, pour order 4): 82.5,100 9,100 9,0 82.5,0
GND on Bottom Layer "BOT_GND" (solid, pour order 2): 9,0 113.5,0 113.5,100 9,100

## Other copper
Top Layer:
  region net GND: 67,8 72.5,8 72.5,2.4 67,2.4

## Silkscreen, mask and mechanical layers (free items; w line width, h text height)
Top Overlay:
  lines w0.254: 91.677,10.51 91.677,3.906 95.741,3.906 95.741,12.237 ; 86.725,86.734 107.725,86.734 107.725,94.6 86.725,94.6 86.725,86.734
  text "Equip 0R on Tx or Rx labeled components to obtain the corresponding variant" at 87.025,87.034 h2
  text ".GGG-.PPP-.Rev.VariantName" at 25.1,83.1 h3
  text "Rx->" at 65.894,80.836 h1.1 r270
  text "Rx->" at 71.194,80.836 h1.1 r270
  text "Tx->" at 77.494,80.836 h1.1 r270
  text "Tx->" at 89.294,80.836 h1.1 r270
  text "Tx->" at 92.694,80.836 h1.1 r270
  text "Rx->" at 94.194,80.836 h1.1 r270
  text "A" at 81.269,76.819 h1.2
  text "B" at 81.344,72.169 h1.2
  text "DIG 18" at 97.367,69.234 h2.54 r90
  text "C" at 81.269,66.719 h1.2
  text "D" at 81.269,62.219 h1.2
  text "DIG 20" at 97.367,59.134 h2.54 r90
  text "E" at 81.23,56.73 h1.2
  text "F" at 81.269,51.719 h1.2
  text "DIG 22" at 97.367,48.934 h2.54 r90
  text "G" at 81.255,46.33 h1.2
  text "H" at 81.269,41.694 h1.2
  text "DIG 24" at 97.367,38.634 h2.54 r90
  text "I" at 81.269,36.469 h1.2
  text "J" at 81.269,32.119 h1.2
  text "DIG 26" at 97.34,28.934 h2.54 r90
  text "DIG_18" at 28.014,26.45 h1.27 r90
  text "DIG_19" at 30.531,26.45 h1.27 r90
  text "DIG_20" at 33.048,26.45 h1.27 r90
  text "DIG_21" at 35.566,26.45 h1.27 r90
  text "DIG_22" at 38.083,26.45 h1.27 r90
  text "DIG_23" at 40.6,26.45 h1.27 r90
  text "DIG_24" at 43.117,26.45 h1.27 r90
  text "DIG_25" at 45.634,26.45 h1.27 r90
  text "DIG_26" at 48.152,26.45 h1.27 r90
  text "DIG_27" at 50.669,26.45 h1.27 r90
  text "DIG_28" at 53.186,26.45 h1.27 r90
  text "DIG_29" at 55.703,26.45 h1.27 r90
  text "K" at 81.269,26.194 h1.2
  text "L" at 81.269,21.394 h1.2
  text "Signals" at 12.7,20.25 h1.27
  text "DIG 28" at 97.367,18.534 h2.54 r90
  text "GND" at 17,17.75 h1.27
  text "VCC" at 91.804,10.785 h2.03
  text "VCC" at 77.708,8.408 h1.52
  text "GND" at 77.708,5.608 h1.52
Bottom Overlay:
  text "DIG 19" at 92.744,75.821 h2.54 r90
  text "DIG 21" at 92.744,65.421 h2.54 r90
  text "DIG 23" at 92.744,55.421 h2.54 r90
  text "DIG 26" at 92.744,45.221 h2.54 r90
  text "DIG 27" at 92.74,35.521 h2.54 r90
  text "DIG 29" at 92.744,25.021 h2.54 r90
Mechanical 1:
  the board outline again, w0.1

## Dimensions
110.5,100 to 113.881,77.46 on Dimensions
110.5,0 to 114.1,16.5 on Dimensions
110.5,0 to 113.5,77.46 on Dimensions
5,95 to 3,100 on Dimensions
5,95 to 0,97 on Dimensions
0,1.5 to 5,5 on Dimensions
1.5,0 to 5,5 on Dimensions
68.5,6.827 to 110.5,0 on Dimensions
110.5,0 to 110.5,100 on Dimensions
110.5,0 to 0,1.5 on Dimensions
110.5,0 to 25.5,8.21 on Dimensions

## Text inside footprints (layer, text, board x,y; h text height)
Serial1: Top Assembly "SerialNr" at 40.19,76.9 h0.7